# Allegro board 08_038702e.brd (continued)
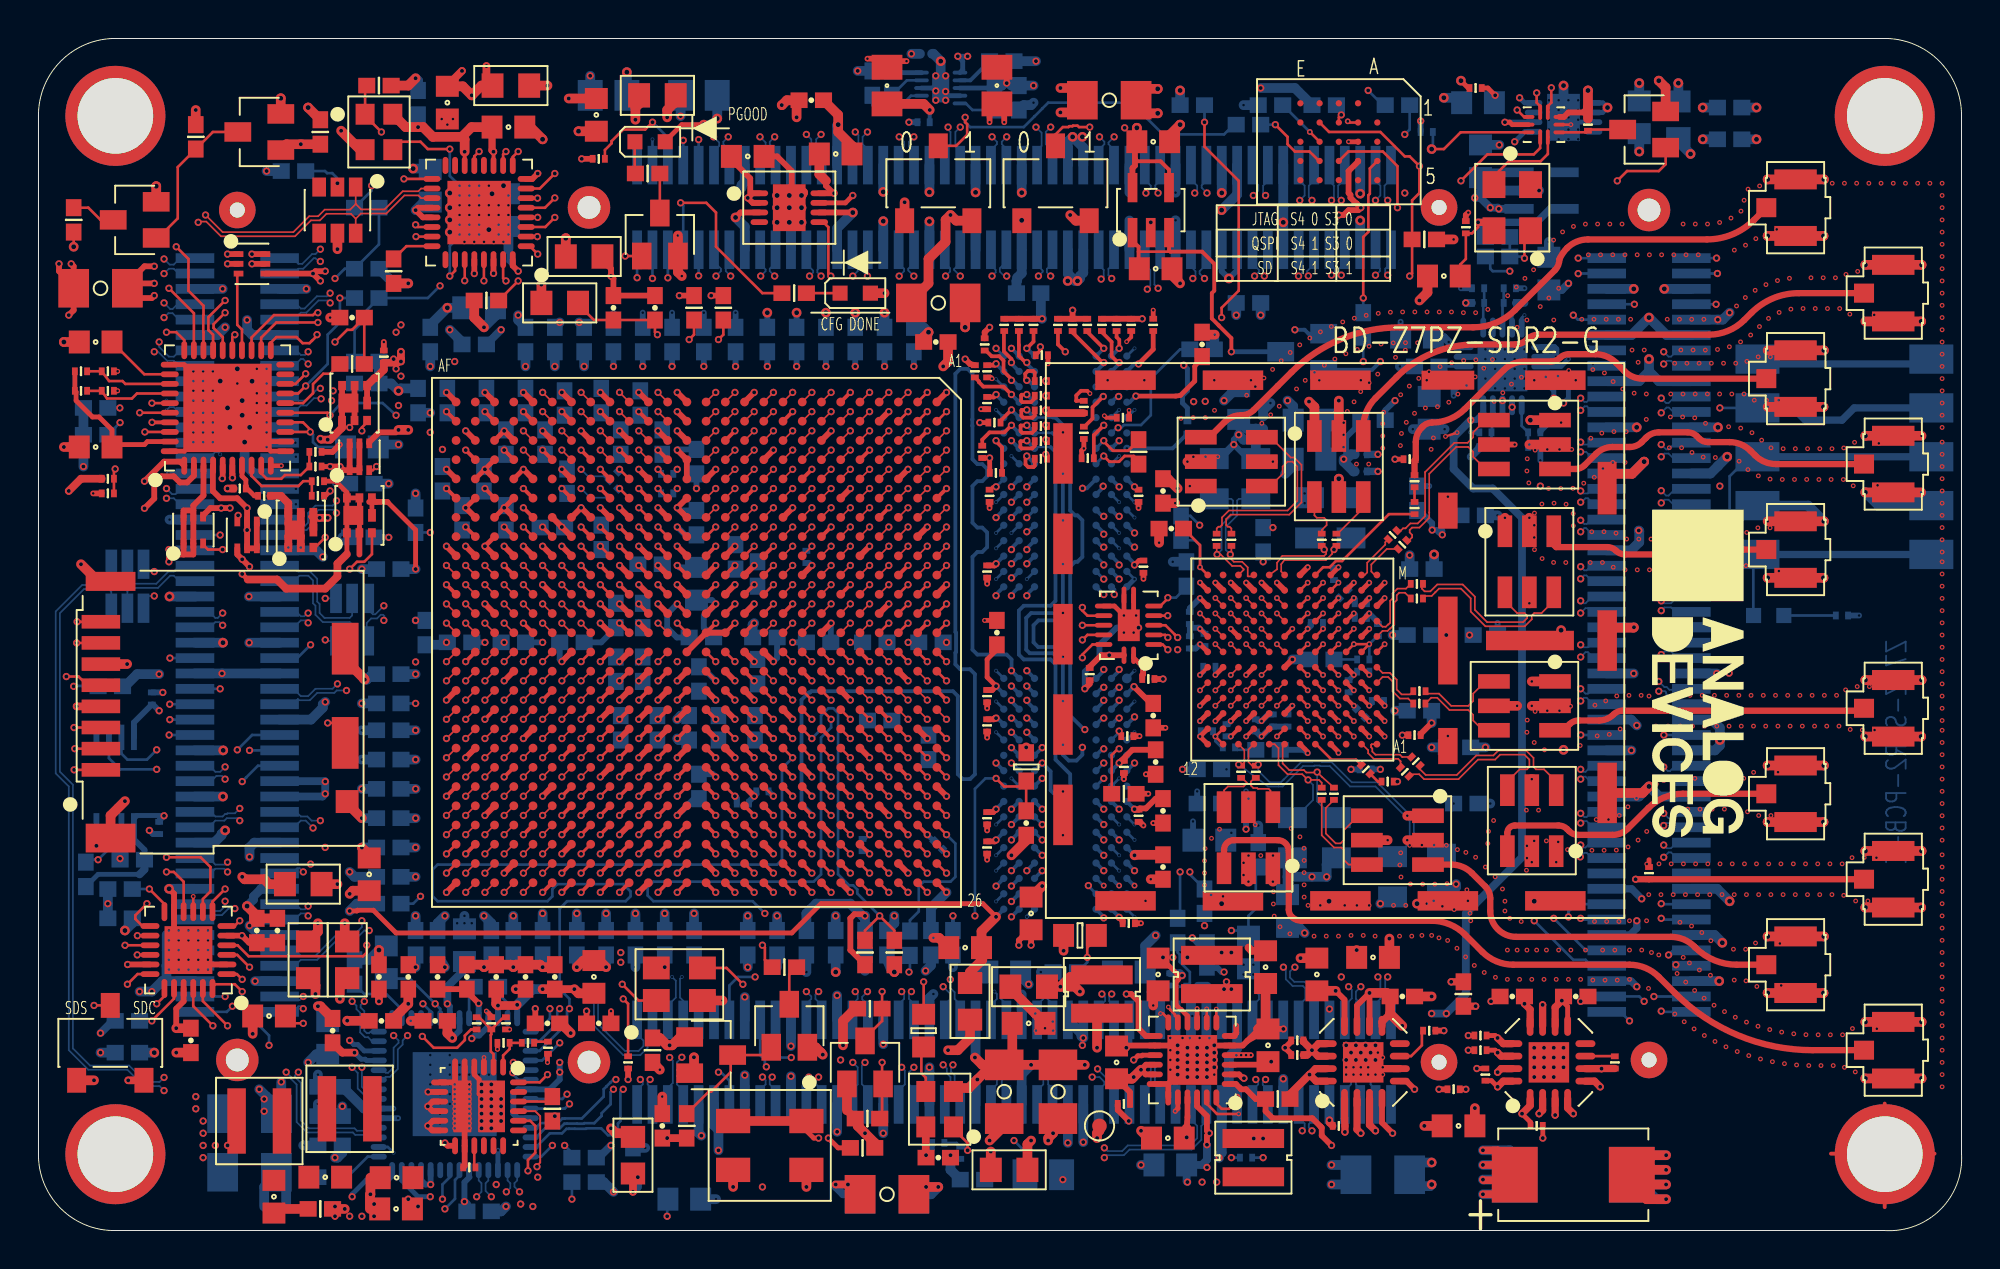
[diagram p0: board, top side]
## Placement (name value [footprint] x y rotation side) (continued)
C197  10uF  [C0603]  29.01 58.02 270 top
C198  10uF  [C0603]  34.22 33.64 270 bottom
C199  1uF  [C0603]  74.86 58.66 180 bottom
C200  10uF  [C0603]  83.24 57.89 270 bottom
C201  0.1uF  [C0402]  20.75 13.19 90 top
C202  10uF  [C0603]  16.82 40.75 0 bottom
C203  0.1uF  [C0402]  17.83 10.9 180 top
C204  10uF  [C0603]  2.97 46.21 180 top
C205  10uF  [C0603]  2.97 40.75 180 top
C206  0.1uF  [C0402]  15.17 5.95 180 bottom
C207  220pF  [C0402]  17.07 44.05 0 bottom
C208  0.1uF  [C0402]  15.29 10.4 90 top
C209  220pF  [C0402]  16.31 47.48 180 top
C210  10uF  [C0603]  22.15 14.84 90 bottom
C211  0.1uF  [C0402]  19.23 13.19 90 top
C212  0.1uF  [C0402]  30.91 3.66 90 bottom
C213  220pF  [C0402]  17.07 45.19 0 bottom
C214  0.1uF  [C0402]  15.17 7.47 180 bottom
C215  220pF  [C0402]  17.07 50.02 0 bottom
C216  18PF  [C0402]  59.41 36.53 270 bottom
C217  0.1uF  [C0402]  25.33 13.19 90 top
C218  4.7uF  [C0402]  22.28 13.19 90 top
C219  1uF  [C0603]  15.04 10.01 90 bottom
C220  4.7uF  [C0402]  16.82 38.84 180 bottom
C221  4.7uF  [C0402]  19.74 43.16 90 bottom
C222  0.47uF  [C0402]  16.82 36.05 180 bottom
C223  4.7uF  [C0402]  20.37 46.34 90 bottom
C224  0.1uF  [C0402]  32.44 5.44 90 top
C225  0.1uF  [C0402]  29.14 10.78 0 top
C226  0.1uF  [C0402]  20.63 10.9 180 top
C227  0.1uF  [C0402]  30.28 41 90 bottom
C228  0.47uF  [C0402]  31.29 43.03 90 bottom
C229  0.1uF  [C0402]  23.17 39.1 90 bottom
C230  0.1uF  [C0402]  25.33 43.16 90 bottom
C231  0.1uF  [C0402]  26.72 36.56 0 bottom
C232  0.1uF  [C0402]  21.01 39.1 90 bottom
C233  0.1uF  [C0402]  32.44 41 90 bottom
C234  0.1uF  [C0402]  24.31 41 90 bottom
C235  0.1uF  [C0402]  24.31 37.07 90 bottom
C236  0.1uF  [C0402]  29.26 43.16 90 bottom
C237  0.1uF  [C0402]  22.02 37.07 90 bottom
C238  0.1uF  [C0402]  21.26 43.16 90 bottom
C239  0.1uF  [C0402]  27.48 38.97 90 bottom
C240  0.1uF  [C0402]  23.29 43.16 90 bottom
C241  0.1uF  [C0402]  27.36 43.03 90 bottom
C242  0.1uF  [C0402]  23.29 12.68 180 bottom
C243  0.1uF  [C0201]  6.28 20.94 90 bottom
C244  0.1uF  [C0201]  5.89 27.67 270 bottom
C245  0.1uF  [C0201]  57.71 28.68 0 top
C246  0.1uF  [C0201]  54.66 28.94 270 top
C247  2.2uF  [C0603]  58.09 50.02 0 top
C248  2.2uF  [C0603]  57.96 56.62 0 top
C249  0.1uF  [C0402]  40.57 30.59 0 bottom
C250  0.1uF  [C0402]  43.49 30.59 0 bottom
C251  47uF  [C0805H60]  52.25 2.9 0 bottom
C252  0.039uF  [C0603]  33.58 1.63 0 bottom
C253  0.1uF  [C0201]  22.4 3.28 0 top
C254  1uF  [C0402]  28.37 2.52 0 bottom
C255  0.0022uF  [C0201]  25.45 9.76 0 top
C256  39PF  [C0201]  24.18 9.76 180 top
C257  2.2UF  [C0603]  12.24 1.76 270 top
C258  100uF  [C1206H71]  44.12 1.89 0 top
C259  100uF  [C1206H71]  44.12 1.89 0 bottom
C260  4.7uF  [C0603]  74.98 55.61 90 bottom
C301  10uF  [C0603]  18.59 1.12 180 top
C305  2.2uF  [C0603]  14.91 2.78 0 top
C308  100uF  [C1206H71]  10.97 6.08 0 bottom
C309  100uF  [C1206H71]  10.97 3.03 0 bottom
C310  0.1uF  [C0201]  77.9 5.44 0 top
C311  0.01uF  [C0201]  72.32 10.4 0 top
C312  10uF  [C0603]  69.39 14.21 0 top
C313  10uF  [C0603]  66.47 13.32 90 top
C314  0.1uF  [C0201]  65.46 9.89 180 top
C315  0.1uF  [C0201]  65.46 9.13 180 top
C318  0.1uF  [C0201]  67.62 5.44 180 top
C319  0.1uF  [C0201]  64.19 26.52 90 bottom
C320  1uF  [C0402]  70.92 12.17 0 top
C321  0.01uF  [C0201]  61.77 26.02 90 bottom
C322  0.01uF  [C0201]  68.89 29.06 180 bottom
C323  1uF  [C0402]  71.81 27.03 0 bottom
C324  1uF  [C0402]  71.68 38.08 90 bottom
C325  0.01uF  [C0201]  68.76 26.91 315 bottom
C326  0.01uF  [C0201]  68.76 32.62 0 bottom
C327  1uF  [C0402]  71.93 34.4 0 bottom
C328  1uF  [C0402]  71.81 30.97 0 bottom
C329  0.01uF  [C0201]  68.76 31.86 0 bottom
C330  0.01uF  [C0201]  60.89 29.32 0 bottom
C331  1uF  [C0402]  74.6 37.19 0 bottom
C332  1uF  [C0402]  74.22 22.21 0 bottom
C333  0.01uF  [C0201]  67.87 33.13 45 bottom
C334  0.01uF  [C0201]  69.01 23.98 0 bottom
C335  1uF  [C0402]  63.68 35.92 90 bottom
C336  1uF  [C0402]  73.84 25.13 0 bottom
C337  0.01uF  [C0201]  71.55 25.76 0 top
C340  0.01uF  [C0201]  81.97 8.74 270 top
C341  10uF  [C0402]  79.94 12.17 0 top
C342  10uF  [C0402]  76.63 12.17 180 top
C343  0.1uF  [C0201]  74.98 10.14 180 top
C344  0.1uF  [C0201]  74.98 9.38 180 top
C347  0.1uF  [C0201]  75.24 8.11 90 top
C348  0.1uF  [C0201]  59.87 31.86 90 bottom
C354  1uF  [C0402]  60.89 23.98 180 bottom
C355  0.01uF  [C0201]  60.63 30.72 270 bottom
C356  0.01uF  [C0201]  59.87 30.59 270 bottom
C357  1uF  [C0402]  60.89 22.21 180 bottom
C358  1uF  [C0402]  87.94 56.75 0 bottom
C359  0.01uF  [C0201]  63.3 26.27 90 bottom
C360  0.01uF  [C0201]  64.95 26.52 90 bottom
C361  1uF  [C0402]  87.94 58.4 0 bottom
C362  10uF  [C0603]  73.84 5.44 180 top
C363  10uF  [C0603]  60.89 20.3 180 bottom
C364  0.1uF  [C0201]  17.96 45.45 90 top
C365  10uF  [C0603]  18.62 2.75 180 top
D1  BAT54C  [SOT23]  65.71 45.7 270 bottom
D3  LG L29K-G2J1-24-Z  [LED0603-2]  31.8 56.62 0 top
D4  LG L29K-G2J1-24-Z  [LED0603-2]  42.47 48.75 0 top
DS1  LG L29K-G2J1-24-Z  [LED0603-2]  89.97 31.99 180 bottom
E1  220OHM  [L0805]  27.1 48.24 0 top
E2  100OHM  [L0805]  50.47 3.16 180 top
E3  100OHM  [L0805]  48.44 11.92 90 top
E4  100OHM  [L0805]  51.49 12.68 180 top
E7  100OHM  [L0805]  24.56 59.54 180 top
E8  100OHM  [L0805]  32.18 59.04 180 top
E9  100OHM  [L0805]  14.02 14.08 90 top
E10  75OHM  [L0402]  74.09 12.3 90 top
E11  100OHM  [L0805]  85.27 57.77 270 bottom
E12  220OHM  [L0805]  28.37 50.65 0 top
E14  100OHM  [L0805]  30.91 3.92 270 top
E15  100OHM  [L0805]  13.77 18.02 0 top
E16  100OHM  [L0805]  16.05 14.08 270 top
J3  DM3CS-SF  [CNHIROSEDM3CS-SF]  9.45 27.16 0 top
JP1  3PIN_SOLDER_JUMPER  [JPRSLD03]  4.62 32.37 180 bottom
JP2  3PIN_SOLDER_JUMPER  [JPRSLD03]  4.62 34.65 180 bottom
JP3  3PIN_SOLDER_JUMPER  [JPRSLD03]  16.31 30.66 0 bottom
JP4  3PIN_SOLDER_JUMPER  [JPRSLD03]  16.31 32.87 0 bottom
JX1  61082-101400LF  [CNFCI61082-101400]  50.73 53.21 0 bottom
JX2  61082-101400LF  [CNFCI61082-101400]  50.73 8.76 0 bottom
JX3  61082-101400LF  [CNFCI61082-101400]  10.34 30.97 90 bottom
JX4  61082-101400LF  [CNFCI61082-101400]  83.75 30.97 270 bottom
L1  330NH  [L0805-F]  61.14 39.1 270 bottom
L2  330NH  [L0805-F]  63.3 39.1 270 bottom
L3  330NH  [L0805-F]  72.95 18.52 90 bottom
L4  330NH  [L0805-F]  70.41 18.4 90 bottom
L5  1uH  [LSMSQ118H47]  55.3 12.3 90 top
L6  1uH  [LSMSQ118H47]  61.01 13.32 90 top
L7  1uH  [LSMSQ118H47]  63.17 3.79 270 top
L8  330NH  [L0805-F]  66.09 37.07 270 bottom
L9  330NH  [L0805-F]  68.25 37.07 270 bottom
L10  330NH  [L0805-F]  67.49 20.43 90 bottom
L11  330NH  [L0805-F]  65.2 20.43 90 bottom
L12  600OHMS  [L0603]  51.36 24.11 270 top
L13  330nH  [LSMSQ157H63]  11.48 5.7 180 top
L301  700nH  [LSMSQ157H63]  16.18 6.33 180 top
M1  LT15CCC2243A  [MLT15CCC2243A]  67.42 30.68 180 top
NOREF  -  []  -0.07 62.07 270 top
NOREF#2  -  []  4 3.97 0 top
NOREF#3  -  []  109.2 68.22 0 top
NOREF#4  -  []  0 3.99 0 top
NOREF#5  -  []  100.13 -0.13 90 top
NOREF#6  -  []  100.13 62.07 180 top
NOREF#7  -  []  0 4 0 top
NOREF#8  -  []  86.29 28.94 270 top
NOREF#9  -  []  226.11 149.71 0 top
NOREF#10  -  [unnamed#2]  4 3.97 0 top
NOREF#11  -  []  -89.23 -241.57 0 top
NOREF#12  -  []  -0.07 -0.13 0 top
NOREF#13  -  []  3.99 -0.02 90 top
NOREF#14  -  []  -76.66 -229 0 top
NOREF#15  -  []  53.14 82.28 0 top
NOREF#16  -  [unnamed#2]  96 57.97 0 top
NOREF#17  -  []  4 3.97 0 top
NOREF#18  -  []  98.94 60.71 0 top
NOREF#19  -  []  -7.69 68.22 0 top
NOREF#20  -  []  4 3.97 90 top
NOREF#21  -  []  4 3.97 90 top
NOREF#22  -  []  248.21 130.03 0 top
NOREF#23  -  [unnamed#2]  96 3.97 0 top
NOREF#24  -  []  3.99 -0.02 90 top
NOREF#25  -  []  -7.69 -6.25 0 top
NOREF#26  -  []  278.21 -114.19 0 top
NOREF#27  -  [unnamed#2]  4 57.97 0 top
NOREF#28  -  []  4 3.97 90 top
P1  5147733-4  [CNTE5147733-4]  93.91 40.24 90 bottom
Q1  BSS138TA  [SOT23]  34.98 9.13 270 top
Q2  BSS138TA  [SOT23]  11.48 57.13 90 top
Q3  BSS138TA  [SOT23]  39.04 10.65 0 top
Q4  BSS138TA  [SOT23]  5.01 52.56 90 top
Q5  BSS138LT1G  [SOT23]  42.98 8.74 0 top
Q6  BSS138LT1G  [SOT23]  83.49 57.26 90 top
Q7  SI1050X-T1-GE3  [SOT-563]  10.85 36.18 180 top
Q8  SI1050X-T1-GE3  [SOT-563]  8.05 36.43 0 top
Q9  FDMA430NZ  [MLP6_2X2_PAD_9X1_PAD_2X_56]  16.69 37.19 0 top
Q10  SI1050X-T1-GE3  [SOT-563]  16.69 40.24 0 top
Q11  FDMA430NZ  [MLP6_2X2_PAD_9X1_PAD_2X_56]  13.64 36.43 0 top
Q12  SI1050X-T1-GE3  [SOT-563]  11.1 50.27 270 top
Q13  FDMA430NZ  [MLP6_2X2_PAD_9X1_PAD_2X_56]  16.44 43.03 0 top
Q14  BSS138LT1G  [SOT23]  32.31 51.8 0 top
R1  10  [R0201]  71.55 38.97 270 top
R2  10  [R0201]  70.16 23.35 180 top
R3  20K  [R0402]  42.85 4.3 180 top
R4  4.99K  [R0402]  4.24 17.76 0 bottom
R5  49.9  [R0201]  72.19 57.13 180 bottom
R6  0  [R0402]  50.09 60.81 180 bottom
R7  10K  [R0402]  43.11 5.82 0 top
R8  10K  [R0402]  43.23 11.54 0 top
R9  0  [R0402]  23.29 48.37 0 top
R10  100  [R0402]  19.61 36.94 270 bottom
R11  4.99K  [R0402]  28.37 3.79 180 bottom
R12  0  [R0402]  15.17 2.78 0 bottom
R13  1K  [R0402]  31.93 9.38 270 top
R14  1K  [R0402]  14.66 57.13 90 top
R15  1K  [R0402]  33.71 5.44 90 top
R16  1K  [R0402]  8.18 56.88 270 top
R17  220  [R0402]  38.79 13.7 180 top
R18  220  [R0402]  1.83 52.56 270 top
R19  0  [R0402]  68.89 47.1 90 bottom
R20  10K  [R0201]  60 12.68 0 bottom
R21  10K  [R0402]  53.39 13.44 180 bottom
R22  10K  [R0402]  63.43 19.54 90 bottom
R23  10K  [R0201]  58.85 13.06 90 bottom
R24  16.9K  [R0603]  54.15 15.35 180 top
R25  26.1K  [R0603]  62.92 14.46 270 bottom
R26  10K  [R0402]  46.28 25.13 90 bottom
R27  10K  [R0402]  17.71 59.54 0 top
R28  240  [R0402]  66.85 58.53 0 bottom
R29  10K  [R0402]  60.76 14.33 270 bottom
R30  10K  [R0201]  2.21 44.69 0 top
R31  20K  [R0201]  42.85 20.05 90 bottom
R32  20K  [R0201]  46.79 20.05 315 bottom
R33  10K  [R0201]  80.57 57.51 270 top
R34  4.02K  [R0201]  3.61 39.1 0 top
R35  4.02K  [R0201]  3.61 38.34 180 top
R36  20K  [R0402]  3.74 28.3 180 bottom
R37  10K  [R0402]  43.74 26.52 180 bottom
R38  10K  [R0201]  3.61 44.69 0 top
R39  10K  [R0201]  2.21 43.67 0 top
R40  10K  [R0201]  3.61 43.67 0 top
R41  10K  [R0201]  16.05 43.03 0 bottom
R42  4.99K  [R0402]  16.31 45.07 0 top
R43  10K  [R0201]  30.66 8.74 90 top
R44  4.99K  [R0402]  17.07 48.5 0 bottom
R45  4.99K  [R0402]  17.07 53.19 0 bottom
R46  10K  [R0201]  62.79 3.79 180 bottom
R47  4.99K  [R0402]  59.23 15.6 270 bottom
R48  4.99K  [R0402]  60.63 17.13 270 bottom
R49  4.99K  [R0201]  22.79 10.78 90 top
R50  4.99K  [R0402]  16.44 13.44 90 bottom
R51  4.7K  [R0402]  2.97 42.78 0 bottom
R52  4.7K  [R0402]  2.97 41.38 0 bottom
R53  1K  [R0201]  39.93 35.03 270 bottom
R54  301  [R0402]  75.87 50.65 0 bottom
R55  1K  [R0402]  75.87 51.67 0 bottom
R56  10K  [R0201]  29.14 55.73 0 top
R57  4.7K  [R0402]  2.47 18.52 90 bottom
R58  4.7K  [R0402]  4.88 19.29 180 bottom
R59  1K  [R0402]  59.69 34.14 90 bottom
R60  0  [R0402]  45.32 14.94 270 bottom
R61  4.02K  [R0201]  75.24 40.75 0 bottom
R62  4.02K  [R0201]  75.24 41.51 180 bottom
R63  10K  [R0201]  76.51 48.24 180 bottom
R64  10K  [R0201]  76.51 49 0 bottom
R65  10K  [R0201]  74.86 48.24 0 bottom
R66  10K  [R0201]  74.86 49 180 bottom
R67  4.02K  [R0201]  77.78 40.75 180 bottom
R68  4.02K  [R0201]  77.78 41.51 0 bottom
R69  4.02K  [R0201]  10.47 38.59 180 top
R70  10K  [R0201]  11.74 38.21 180 top
R71  4.02K  [R0201]  14.53 38.21 0 top
R72  10K  [R0201]  14.53 38.97 180 top
R73  4.02K  [R0201]  14.4 39.73 180 top
R74  10K  [R0201]  14.4 40.49 0 top
R75  1K  [R0201]  93.78 31.99 0 bottom
R76  10K  [R0201]  46.79 4.55 0 bottom
R77  10K  [R0201]  47.93 4.05 270 bottom
R78  53.6K  [R0402]  26.72 6.33 270 top
R79  13.3K  [R0201]  26.49 9.51 270 top
R80  1  [R0402]  14.66 1.12 0 top
R81  10K  [R0402]  64.44 6.84 0 top
R101  49.9  [R0201]  71.3 40.11 180 top
R102  49.9  [R0201]  83.75 18.59 90 top
R109  4.99K  [R0402]  4.62 10.9 0 bottom
R111  10K  [R0201]  66.47 31.6 0 bottom
R113  130  [R0402]  31.68 54.97 0 top
R114  39  [R0603]  46.03 10.4 90 top
R116  20K  [R0402]  60 58.53 180 bottom
R119  20K  [R0402]  72.06 51.54 0 top
R120  20K  [R0402]  64.06 58.53 180 bottom
R121  20K  [R0402]  70.66 58.53 180 bottom
R122  20K  [R0402]  62.92 57.51 180 bottom
R123  1  [R0201]  61.9 25.13 0 bottom
R124  1  [R0201]  68.89 29.7 180 bottom
R125  14.3K  [R0201]  67.36 34.14 90 bottom
R133  1K  [R0201]  52.17 45.52 0 top
R134  240  [R0402]  18.21 17 180 bottom
R135  240  [R0402]  18.21 27.41 180 bottom
R136  120  [R0201]  52.12 43.42 0 top
R137  120  [R0201]  53.01 47.1 90 top
R138  120  [R0201]  52.12 44.18 0 top
R139  120  [R0201]  48.69 44.69 90 top
R140  120  [R0201]  56.82 47.1 90 top
R141  120  [R0201]  49.2 46.08 90 top
R142  80.6  [R0402]  57.2 40.49 90 top
R143  120  [R0201]  55.3 47.1 90 top
R144  120  [R0201]  50.22 47.1 90 top
R145  120  [R0201]  56.06 47.1 90 top
R146  120  [R0201]  50.98 47.1 90 top
R147  120  [R0201]  54.56 40.16 180 top
R148  120  [R0201]  53.77 47.1 90 top
R149  120  [R0201]  54.36 41.49 270 top
R150  120  [R0201]  51.74 47.1 90 top
R151  120  [R0201]  54.54 47.1 90 top
R152  120  [R0201]  49.71 42.02 180 top
R153  120  [R0201]  54.36 42.83 270 top
R154  120  [R0201]  52.12 42.65 0 top
R155  120  [R0201]  52.12 41.84 0 top
R156  120  [R0201]  52.12 40.14 0 top
R159  120  [R0201]  52.12 41.05 0 top
R160  120  [R0201]  59.74 41.76 90 bottom
R161  0  [R0402]  49.71 58.91 270 bottom
R162  120  [R0201]  49.79 39.4 180 top
R163  120  [R0201]  49.07 40.49 270 top
R165  240  [R0402]  56.44 22.71 0 top
R166  240  [R0402]  60.5 45.83 0 bottom
R167  4.7K  [R0402]  34.09 47.99 270 top
R168  4.7K  [R0402]  35.61 47.99 270 top
R169  4.7K  [R0402]  29.26 36.05 90 bottom
R172  130  [R0402]  39.3 48.75 180 top
R175  39  [R0603]  22.4 53.07 90 bottom
R176  8.06K  [R0402]  18.47 49.89 270 top
R178  10K  [R0402]  13.26 55.1 0 bottom
R191  1K  [R0402]  44.5 14.46 270 top
R194  1K  [R0402]  42.98 14.46 90 top
R221  10K  [R0402]  44.38 59.67 270 bottom
R222  10K  [R0402]  43.36 59.67 270 bottom
R302  35.7K  [R0201]  23.55 10.78 270 top
R303  21K  [R0201]  24.31 10.78 270 top
R306  10K  [R0201]  73.59 7.35 0 top
RX1A  U.FL-R-SMT-1(01)  [CNHIROSE-U_FL-R-SMT-1]  96.45 39.86 270 top
RX1B  U.FL-R-SMT-1(01)  [CNHIROSE-U_FL-R-SMT-1]  91.37 35.41 270 top
RX2A  U.FL-R-SMT-1(01)  [CNHIROSE-U_FL-R-SMT-1]  91.37 22.71 270 top
RX2B  U.FL-R-SMT-1(01)  [CNHIROSE-U_FL-R-SMT-1]  96.45 27.16 270 top
S1  CAS-120TB  [SWSML213W98H98]  3.74 9.76 0 top
S3  CAS-120TB  [SWSML213W98H98]  52.88 54.46 0 top
S4  CAS-120TB  [SWSML213W98H98]  46.79 54.46 0 top
SW1  7914J-1-000E  [SWSMSQ197H165]  38.03 4.43 180 top
T1  TCM1-63AX+  [TSML150W160H160]  77.27 40.88 270 top
T2  TCM1-63AX+  [TSML150W160H160]  77.52 34.78 0 top
T3  TCM1-63AX+  [TSML150W160H160]  77.65 21.32 180 top
T4  TCM1-63AX+  [TSML150W160H160]  77.27 27.29 270 top
T5  TCM1-63AX+  [TSML150W160H160]  67.62 39.73 0 top
T6  TCM1-63AX+  [TSML150W160H160]  62.03 39.99 90 top
T7  TCM1-63AX+  [TSML150W160H160]  70.66 20.3 270 top
T8  TCM1-63AX+  [TSML150W160H160]  62.92 20.43 180 top
TP2  TESTPAD  [TPSMC30]  55.17 5.44 0 top
TX1A  U.FL-R-SMT-1(01)  [CNHIROSE-U_FL-R-SMT-1]  96.45 48.75 270 top
TX1B  U.FL-R-SMT-1(01)  [CNHIROSE-U_FL-R-SMT-1]  91.37 53.19 270 top
TX2A  U.FL-R-SMT-1(01)  [CNHIROSE-U_FL-R-SMT-1]  91.37 13.82 270 top
TX2B  U.FL-R-SMT-1(01)  [CNHIROSE-U_FL-R-SMT-1]  96.45 9.38 270 top
TXM1  U.FL-R-SMT-1(01)  [CNHIROSE-U_FL-R-SMT-1]  91.37 44.3 270 top
TXM2  U.FL-R-SMT-1(01)  [CNHIROSE-U_FL-R-SMT-1]  96.45 18.27 270 top
U1  XC7Z035-L2FBG676I  [FBGA676]  34.22 30.59 180 top
U2  MT41K256M16TW-107:P  [FBGA96_C]  53.39 22.71 90 bottom
U3  MT41K256M16TW-107:P  [FBGA96_C]  53.39 39.48 90 bottom
U4  ADP5135  [QFN24_4X4_PAD2_6X2_6]  60 8.87 90 top
U5  ADG772BCPZ  [QFN10_1_6X1_3]  78.28 57.51 0 top
U6  ADP7102ACPZ-2.5  [QFN8_3X3_PAD2_44X1_7]  79.3 57.89 270 bottom
U7  ADM1166ACPZ  [QFN40_6X6_PAD4_6X4_6]  9.83 42.78 0 top
U8  ADM7160AUJZ-1.8  [TSOT-5]  78.16 54.08 90 bottom
U9  ADP7104ACPZ-3.3-R7  [QFN8_3X3_PAD2_44X1_7]  39.04 53.19 270 top
U10  88E1512-56QFN  [QFN56_8X8_PAD4_37X4_37]  21.64 7.09 180 bottom
U11  TXS02612RTWR  [QFN24_4X4_PAD2_5X2_5]  7.8 14.59 90 top
U13  N25Q256A11E1240  [TBGA24]  67.62 56.62 180 top
U14  TPS51206DSQR  [SON10_2X2_PAD1_5X0_9]  46.92 59.42 270 bottom
U15  USB3320C-EZK  [QFN32_5X5_PAD3_3X3_3]  22.91 52.94 90 top
U16  CDSOT23-SR208  [SOT23_6-2]  15.55 53.07 180 top
U17  AD9361BBCZ  [BGA144]  65.2 29.69 90 top
U18  ADP2386ACPZN  [QFN24_4X4_2PAD]  22.91 6.46 180 top
U19  ADP1754ACPZ-1.3  [QFN16_4X4_PAD2_1X2_1]  68.89 8.74 0 top
U20  ADP1754ACPZ-1.3  [QFN16_4X4_PAD2_1X2_1]  78.54 8.74 0 top
U21  TCA9517DGKR  [MSOP8]  3.99 23.35 180 bottom
U22  FXL4T245BQX  [DQFN14_3X2_5_PAD1_65X1_15]  56.69 31.48 90 top
U23  ADP7118AUJZ-3.3  [TSOT-5]  57.84 53.07 0 top
U24  AD7291BCPZ  [QFN20_4X4_PAD2_6X2_6]  76.13 44.94 180 bottom
Y1  33.333MEGHZ  [YSML98W79H35]  46.86 6.31 90 top
Y2  25MEGHZ  [YSML126W98H39]  33.33 12.81 0 top
Y3  24MEGHZ  [YSML98W79H35]  17.71 57.13 270 top
Y4  40MEGHz  [YSML126W98H47]  76.63 53.19 90 top

## Library data of the parts
C1 = CAP: alternate symbols: (); part number: CAP_SM-0.01UF,10V,10,E007201,C0201; tolerance: 10; signal model: DEFAULT_CAPACITOR_100000pF_1_2
C2 C3 C12 = CAP: alternate symbols: (); part number: CAP_SM-1UF,6.3V,10,E007449,C0402; tolerance: 10; signal model: DEFAULT_CAPACITOR_100000pF_1_2
C4 C43 C76 C77 C84 C102 C103 C122 C123 C311 C321 C322 C325 C326 C329 C330 C333 C334 C337 C340 C355 C356 C359 C360 = CAP: alternate symbols: (); part number: CAP_SM-0.01UF,10V,10,E007201,C0201; tolerance: 10
C5 C260 = CAP: Tolerance: 10; User Part Number: UPN; alternate symbols: (); part number: CAP_SM-4.7UF,16V,10,E020112,C0603; tolerance: 10
C6 C7 C104 = CAP: alternate symbols: (); part number: CAP_SM-0.001UF,25V,10,E006762,C0201; tolerance: 10
C8-C11 C25 = CAP: alternate symbols: (); part number: CAP_SM-18PF,50V,5,E017960,C0201; tolerance: 5; signal model: DEFAULT_CAPACITOR_100000pF_1_2
C13 C14 C16 C19 C20 = CAP: alternate symbols: (); part number: CAP_SM-0.001UF,25V,10,E006762,C0201; tolerance: 10; signal model: DEFAULT_CAPACITOR_100000pF_1_2
C15 C17 = CAP: alternate symbols: (); part number: CAP_SM-4.7UF,6.3V,10,E020089,C0402; tolerance: 10; signal model: DEFAULT_CAPACITOR_100000pF_1_2
C18 = CAP: alternate symbols: (); part number: CAP_SM-0.47UF,10V,10,E007611,C0402; tolerance: 10; signal model: DEFAULT_CAPACITOR_100000pF_1_2
C21-C24 = CAP: Tolerance: 20; User Part Number: UPN; alternate symbols: (); part number: CAP_SM-10UF,6.3V,20,E007143,C0603; tolerance: 20; signal model: DEFAULT_CAPACITOR_100000pF_1_2
C26 C29 C30 C32-C35 C51-C53 C56 = CAP: alternate symbols: (); part number: CAP_SM-18PF,50V,5,E017960,C0201; tolerance: 5
C27 C72 C88-C90 C107 C108 C114 C125 C143 C145 C146 C153 C162 C163 C170 C171 C178 C179 C189 C222 C228 = CAP: alternate symbols: (); part number: CAP_SM-0.47UF,10V,10,E007611,C0402; tolerance: 10
C28 C31 C37 C39 C42 C54 C55 C57 C73 C75 C93 C98 C119 C126-C132 C135-C137 C147-C152 C154-C157 C160 C164 C166 C168 C185-C187 C190 C201 C203 C206 C208 C211 C212 C217 C224-C227 C229-C242 C249 C250 = CAP: alternate symbols: (); part number: CAP_SM-0.1UF,16V,10,E007200,C0402; tolerance: 10
C36 C58 C78 C181-C183 C199 C219 = CAP: Tolerance: 10; User Part Number: UPN; alternate symbols: (); part number: CAP_SM-1UF,16V,10,E006882,C0603; tolerance: 10
C38 C61 C62 C65 C124 C134 C158 C191-C198 C200 C202 C204 C205 C210 C301 C312 C313 C362 C363 C365 = CAP: Tolerance: 20; User Part Number: UPN; alternate symbols: (); part number: CAP_SM-10UF,6.3V,20,E007143,C0603; tolerance: 20
C40 C41 C214 = CAP: alternate symbols: (); part number: CAP_SM-0.1UF,16V,10,E007200,C0402; tolerance: 10; signal model: DEFAULT_CAPACITOR_100000pF_1_2
C44 C85 = CAPP: Tolerance: 20; User Part Number: UPN; alternate symbols: (); part number: CAPP_SM-680UF,2.5V,20,E022765,CPLSML287W169H118; tolerance: 20
C45-C48 C66 C113 C188 C243-C246 C253 C310 C314 C315 C318 C319 C343 C344 C347 C348 C364 = CAP: alternate symbols: (); part number: CAP_SM-0.1UF,6.3V,10,E011567,C0201; tolerance: 10
C49 C50 C63 C64 C70 C71 C74 C86 C87 C99 C101 C106 C110 C111 C120 C121 C133 C140-C142 C144 C159 C161 C167 C169 C174-C177 C218 C220 C221 C223 = CAP: alternate symbols: (); part number: CAP_SM-4.7UF,6.3V,10,E020089,C0402; tolerance: 10
C59 C60 = CAP: Tolerance: 5; User Part Number: UPN; alternate symbols: (); part number: CAP_SM-27PF,50V,5,E000395,C0603; tolerance: 5
C67-C69 = CAP: Tolerance: 20; User Part Number: UPN; alternate symbols: (); part number: CAP_SM-22UF,6.3V,20,E021512,C0603; tolerance: 20
C79 C82 C83 = CAP: Tolerance: 20; User Part Number: UPN; alternate symbols: (); part number: CAP_SM-10UF,25V,20,E015584,C0805H60; tolerance: 20
C80 = CAP: alternate symbols: (); part number: CAP_SM-0.015UF,50V,10,E020595,C0402; tolerance: 10
C81 = CAP: Tolerance: 10; User Part Number: UPN; alternate symbols: (); part number: CAP_SM-0.22UF,16V,10,E000443,C0805; tolerance: 10
C91 C92 C94-C97 C109 C112 C115-C118 = CAP: alternate symbols: (); part number: CAP_SM-0.1UF,16V,20,E017331,C0201; tolerance: 20
C100 C138 C139 C172 C173 C180 C258 C259 C308 C309 = CAP: Tolerance: 20; User Part Number: UPN; alternate symbols: (); part number: CAP_SM-100UF,6.3V,20,E016591,C1206H71; tolerance: 20
C105 C320 C323 C324 C327 C328 C331 C332 C335 C336 C354 C357 C358 C361 = CAP: alternate symbols: (); part number: CAP_SM-1UF,6.3V,10,E007449,C0402; tolerance: 10
C165 C216 = CAP: alternate symbols: (); part number: CAP_SM-18PF,50V,5,E007476,C0402; tolerance: 5
C184 = CAP: Tolerance: 10; User Part Number: UPN; alternate symbols: (); part number: CAP_SM-1UF,16V,10,E006882,C0603; tolerance: 10; signal model: DEFAULT_CAPACITOR_100000pF_1_2
C207 C209 C213 C215 = CAP: alternate symbols: (); part number: CAP_SM-220PF,50V,5,E012615,C0402; tolerance: 5
C247 = CAP: Tolerance: 10; User Part Number: UPN; alternate symbols: (); part number: CAP_SM-2.2UF,16V,10,E020871,C0603; tolerance: 10
C248 C305 = CAP: Tolerance: 10; User Part Number: UPN; alternate symbols: (); part number: CAP_SM-2.2UF,6.3V,10,E006877,C0603; tolerance: 10
C251 = CAP: Tolerance: 20; User Part Number: UPN; alternate symbols: (); part number: CAP_SM-47UF,6.3V,20,E008247,C0805H60; tolerance: 20
C252 = CAP: Tolerance: 10; User Part Number: UPN; alternate symbols: (); part number: CAP_SM-0.039UF,16V,10,E012650,C0603; tolerance: 10
C254 = CAP: alternate symbols: (); part number: CAP_SM-1UF,16V,20,E020695,C0402; tolerance: 20
C255 = CAP: alternate symbols: (); part number: CAP_SM-0.0022UF,10V,10,E021478,C0201; tolerance: 10
C256 = CAP: alternate symbols: (); part number: CAP_SM-39PF,25V,5,E026816,C0201; tolerance: 5
C257 = CAP: Tolerance: 10; User Part Number: UPN; alternate symbols: (); part number: CAP_SM-2.2UF,6.3V,10,E005843,C0603; tolerance: 10
C341 C342 = CAP: alternate symbols: (); part number: CAP_SM-10UF,6.3V,20,E020966,C0402; tolerance: 20
D1 = DIOSCHOTTKY3P_V10: User Part Number: UPN; Tolerance: N/A; alternate symbols: (); part number: DIOSCHOTTKY3P_V10_SM-BAT54C,30V,N/A,E021001,SOT23; tolerance: N/A
D3 D4 DS1 = DIOLED: Tolerance: N/A; User Part Number: UPN; alternate symbols: (); part number: DIOLED_SM-LG L29K-G2J1-24-Z,N/A,N/A,E010948,LED0603-2; tolerance: N/A
E1 E12 = FERRITE: Tolerance: 25; User Part Number: UPN; alternate symbols: (); part number: FERRITE_SM-220OHM,25,E017491,L0805; tolerance: 25
E2-E4 E7-E9 E11 E14-E16 = FERRITE: Tolerance: 25; User Part Number: UPN; alternate symbols: (); part number: FERRITE_SM-100OHM,25,E012241,L0805; tolerance: 25
E10 = FERRITE: Tolerance: 25; User Part Number: UPN; alternate symbols: (); part number: FERRITE_SM-75OHM,25,E017348,L0402; tolerance: 25
J3 = CN9P_4GND: User Part Number: UPN; Tolerance: N/A; alternate symbols: (); part number: CN9P_4GND_SM-DM3CS-SF,E022379,CNHIROSEDM3CS-SF; tolerance: N/A
JP1-JP4 = NC3P_JMPR: Tolerance: N/A; User Part Number: UPN; alternate symbols: (); part number: NC3P_JMPR_SM-3PIN_SOLDER_JUMPER,E005606,JPRSLD03; tolerance: N/A
JX1-JX4 = CN100P_ODD_EVEN: User Part Number: UPN; Tolerance: N/A; alternate symbols: (); part number: CN100P_ODD_EVEN_SM-61082-101400LF,E022296,CNFCI61082-101400; tolerance: N/A
L1-L4 L8-L11 = IND: Tolerance: 5; User Part Number: UPN; alternate symbols: (); part number: IND_SM-330NH,5,E006599,L0805-F; tolerance: 5
L5-L7 = IND: Tolerance: 20; User Part Number: UPN; alternate symbols: (); part number: IND_SM-1UH,20,E015810,LSMSQ118H47; tolerance: 20
L12 = FERRITE: Tolerance: 25; User Part Number: UPN; alternate symbols: (); part number: FERRITE_SM-600OHMS,25,E007179,L0603; tolerance: 25
L13 = IND: User Part Number: UPN; Tolerance: 20; alternate symbols: (); part number: IND_SM-330NH,20,E022164,LSMSQ157H63; tolerance: 20
L301 = IND: User Part Number: UPN; Tolerance: 20; alternate symbols: (); part number: IND_SM-700NH,20,E022166,LSMSQ157H63; tolerance: 20
M1 = MODLT15CCC2243A: Tolerance: N/A; User Part Number: UPN; alternate symbols: (); part number: MODLT15CCC2243A_SM-LT15CCC2243A,E023383,MLT15CCC2243A; tolerance: N/A
P1 = CN10P_AB: Tolerance: N/A; User Part Number: UPN; alternate symbols: (); part number: CN10P_AB_SM-5147733-4,E023428,CNTE5147733-4; tolerance: N/A
Q1-Q4 = TRANBSS138: User Part Number: UPN; Tolerance: N/A; alternate symbols: (); part number: TRANBSS138_SM-BSS138TA,E004635,SOT23; tolerance: N/A
Q5 Q6 Q14 = TRANNMOSFET_V8: User Part Number: UPN; Tolerance: N/A; alternate symbols: (); part number: TRANNMOSFET_V8_SM-BSS138LT1G,E018770,SOT23; tolerance: N/A
Q7 Q8 Q10 Q12 = TRANNMOSFET_V29: User Part Number: UPN; Tolerance: N/A; alternate symbols: (); part number: TRANNMOSFET_V29_SM-SI1050X-T1-GE3,E022478,SOT-563; tolerance: N/A
Q9 Q11 Q13 = TRANNMOSFET_V31: Tolerance: N/A; User Part Number: UPN; alternate symbols: (); part number: TRANNMOSFET_V31_SM-FDMA430NZ,E025877,MLP6_2X2_PAD_9X1_PAD_2X_56; tolerance: N/A
R1 R2 = RES: alternate symbols: (); part number: RES_SM-10,E013982,1/20W,1,R0201; tolerance: 1
R3 R36 R116 R119-R122 = RES: alternate symbols: (); part number: RES_SM-20K,E003791,1/16W,1,R0402; tolerance: 1
R4 = RES: alternate symbols: (); part number: RES_SM-4.99K,E006643,1/16W,1,R0402; tolerance: 1; signal model: DEFAULT_RESISTOR_0.001OHM_1_2
R5 R101 R102 = RES: alternate symbols: (); part number: RES_SM-49.9,E007693,1/20W,1,R0201; tolerance: 1
R6 R9 R12 R161 = RES: alternate symbols: (); part number: RES_SM-0,E010661,1/16W,1,R0402; tolerance: 1
R7 R21 R22 R26 R27 R29 R37 R81 R178 R221 R222 = RES: alternate symbols: (); part number: RES_SM-10K,E003751,1/16W,1,R0402; tolerance: 1
R8 = RES: alternate symbols: (); part number: RES_SM-10K,E003751,1/16W,1,R0402; tolerance: 1; signal model: DEFAULT_RESISTOR_0.001OHM_1_2
R10 = RES: alternate symbols: (); part number: RES_SM-100,E016329,1/10W,1,R0402; tolerance: 1
R11 R42 R44 R45 R47 R48 R50 R109 = RES: alternate symbols: (); part number: RES_SM-4.99K,E006643,1/16W,1,R0402; tolerance: 1
R13 R14 = RES: alternate symbols: (); part number: RES_SM-1K,E003763,1/10W,1,R0402; tolerance: 1; signal model: DEFAULT_RESISTOR_100.000000OHM_1_2
R15 R55 R59 R191 R194 = RES: alternate symbols: (); part number: RES_SM-1K,E003763,1/10W,1,R0402; tolerance: 1
R16 = RES: alternate symbols: (); part number: RES_SM-1K,E003763,1/10W,1,R0402; tolerance: 1; signal model: DEFAULT_RESISTOR_0.001OHM_1_2
R17 R18 = RES: alternate symbols: (); part number: RES_SM-220,E011432,1/16W,1,R0402; tolerance: 1
R19 R60 = RES: alternate symbols: (); part number: RES_SM-0,E003438,N/A,5,R0402; tolerance: 5
R20 R23 R30 R33 R38-R41 R43 R46 R56 R63-R66 R70 R72 R74 R76 R77 R111 R306 = RES: alternate symbols: (); part number: RES_SM-10K,E004011,1/20W,1,R0201; tolerance: 1
R24 = RES: Tolerance: 1; User Part Number: UPN; alternate symbols: (); part number: RES_SM-16.9K,E014233,1/10W,1,R0603; tolerance: 1
R25 = RES: Tolerance: 1; User Part Number: UPN; alternate symbols: (); part number: RES_SM-26.1K,E024699,1/10W,1,R0603; tolerance: 1
R28 R134 R135 R165 R166 = RES: alternate symbols: (); part number: RES_SM-240,E010877,1/16W,1,R0402; tolerance: 1
R31 R32 = RES: alternate symbols: (); part number: RES_SM-20K,E004013,1/20W,1,R0201; tolerance: 1
R34 R35 R61 R62 R67-R69 R71 R73 = RES: alternate symbols: (); part number: RES_SM-4.02K,E023201,1/20W,1,R0201; tolerance: 1
R49 = RES: alternate symbols: (); part number: RES_SM-4.99K,E027454,1/20W,1,R0201; tolerance: 1
R51 R52 R57 R58 R167-R169 = RES: alternate symbols: (); part number: RES_SM-4.7K,E008190,1/16W,1,R0402; tolerance: 1
R53 R75 R133 = RES: alternate symbols: (); part number: RES_SM-1K,E004010,1/20W,1,R0201; tolerance: 1
R54 = RES: alternate symbols: (); part number: RES_SM-301,E011195,1/16W,1,R0402; tolerance: 1
R78 = RES: alternate symbols: (); part number: RES_SM-53.6K,E023305,1/16W,1,R0402; tolerance: 1
R79 = RES: alternate symbols: (); part number: RES_SM-13.3K,E027455,1/20W,1,R0201; tolerance: 1
R80 = RES: alternate symbols: (); part number: RES_SM-1,E010031,1/16W,5,R0402; tolerance: 5
R113 R172 = RES: alternate symbols: (); part number: RES_SM-130,E003795,1/16W,1,R0402; tolerance: 1
R114 R175 = RES: Tolerance: 1; User Part Number: UPN; alternate symbols: (); part number: RES_SM-39,E004235,1/16W,1,R0603; tolerance: 1
R123 R124 = RES: alternate symbols: (); part number: RES_SM-1,E014056,1/20W,1,R0201
R125 = RES: alternate symbols: (); part number: RES_SM-14.3K,E014068,1/20W,1,R0201; tolerance: 1
R136-R141 R143-R156 R159 R160 R162 R163 = RES: alternate symbols: (); part number: RES_SM-120,E011549,1/20W,1,R0201; tolerance: 1
R142 = RES: alternate symbols: (); part number: RES_SM-80.6,E022369,1/16W,0.1,R0402; tolerance: 0.1
R176 = RES: alternate symbols: (); part number: RES_SM-8.06K,E021385,1/10W,1,R0402; tolerance: 1
R302 = RES: alternate symbols: (); part number: RES_SM-35.7K,E019520,1/20W,1,R0201; tolerance: 1
R303 = RES: alternate symbols: (); part number: RES_SM-21K,E027440,1/20W,1,R0201; tolerance: 1
RX1A RX1B RX2A RX2B TX1A TX1B TX2A TX2B TXM1 TXM2 = CNBNC3P: Tolerance: N/A; User Part Number: UPN; alternate symbols: (); part number: CNBNC3P_SM-U.FL-R-SMT-1(01),E022198,CNHIROSE-U_FL-R-SMT-1; tolerance: N/A
S1 S3 S4 = SWSPDT_V2: Tolerance: N/A; User Part Number: UPN; alternate symbols: (); part number: SWSPDT_V2_SM-CAS-120TB,E012554,SWSML213W98H98; tolerance: N/A
